# Altium PCB ASCII_LimeSDR-USB_1v4s.PcbDoc (part 4 of 10) (continued)
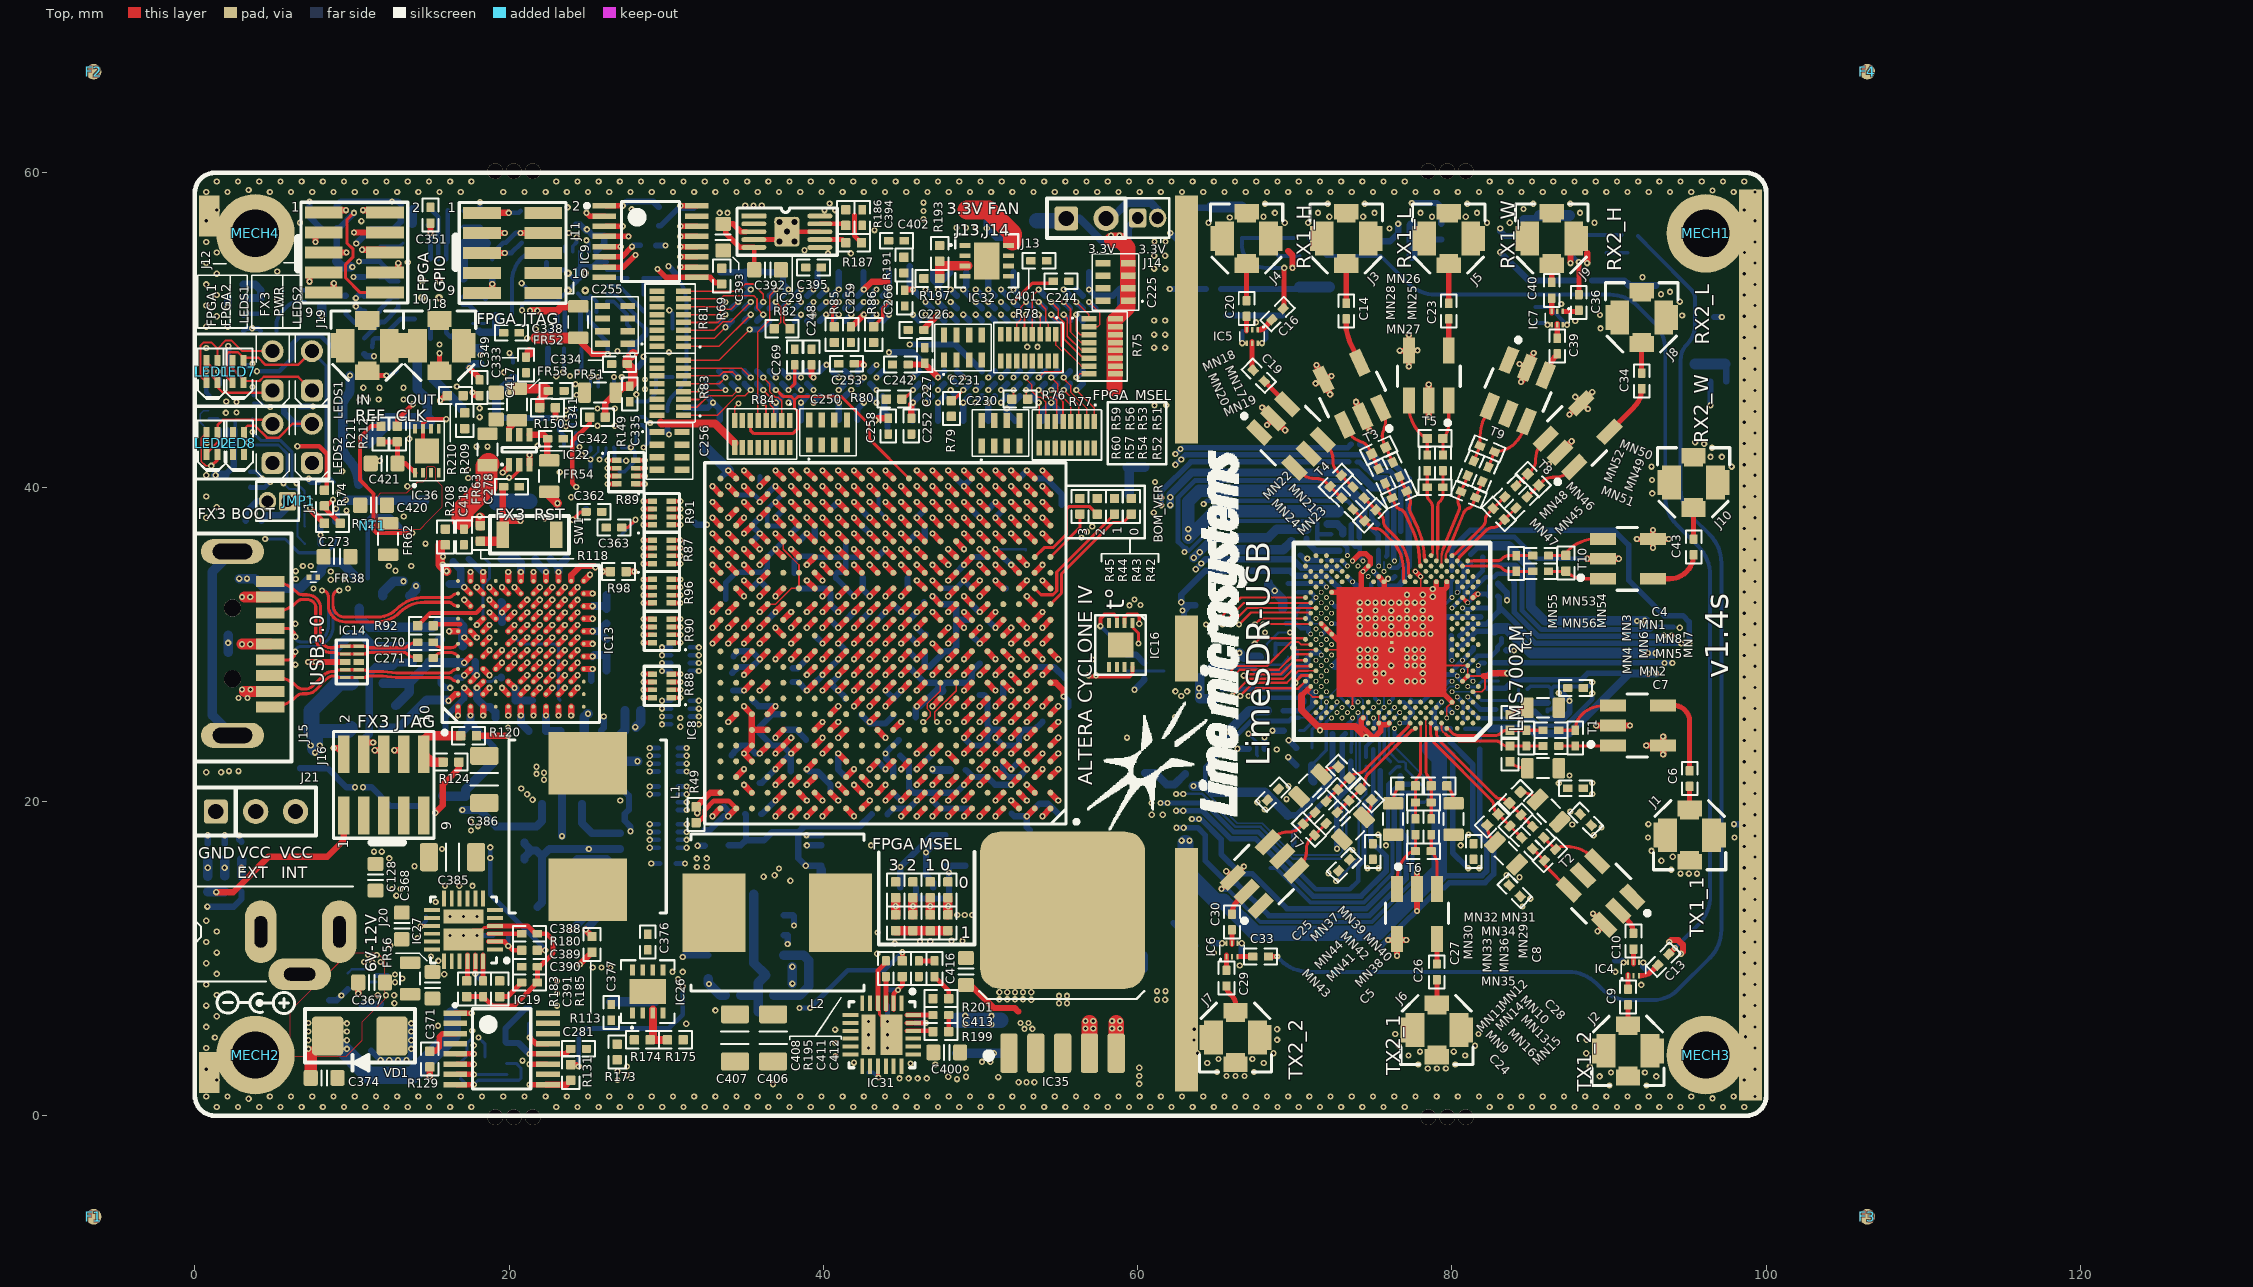
[diagram p0: Top view]
## Nets (pads, with @x,y where several pads share a name; then routed paths per layer and width w, separated by ;. In a path a pad name is that pad's centre, name@x,y a point inside that pad or via, vN(x,y) a via of type N, cw(c..) or ccw(c..) an arc to the next point about the centre after c; other vN are vias at no path point) (continued)
  Bottom w0.4: IC12.C8@42.175,51.375 v1(42.575,51.775)
DDR2_2_DQ9: IC8.AB13 IC12.C2 | length 18.4
  Top w0.4: v2(41.95,41.05) IC8.AB13@42.45,40.55
  L4 w0.1: v2(41.95,41.05) 41.95,40.545 42.525,39.97 42.525,38.775 42.825,38.475 43.375,38.475 43.6,38.7 43.6,40.925 42.925,41.6 42.925,41.9 ccw(c42.621,41.9) 42.621,42.204 42.253,42.204 cw(c42.253,42.508) 41.949,42.508 cw(c42.253,42.508) 42.253,42.812 42.925,42.812 43.796,42.812 ccw(c43.796,43.116) 44.1,43.116 ccw(c43.796,43.116) 43.796,43.42 42.925,43.42 42.56,43.42 cw(c42.56,43.724) 42.256,43.724 cw(c42.56,43.724) 42.56,44.028 42.621,44.028 ccw(c42.621,44.332) 42.925,44.332 42.925,44.4 42.925,46.625 v1(42.575,46.975)
  Bottom w0.4: IC12.C2@42.175,46.575 v1(42.575,46.975)
DDR2_2_DQ10: IC8.AA15 IC12.D7 | length 18.3
  Top w0.4: v2(39.95,40.05) IC8.AA15@40.45,39.55
  L8 w0.1: v2(39.95,40.05) 40.325,40.05 40.525,40.25 40.525,40.825 40.525,41.302 cw(c40.829,41.302) 40.829,41.606 40.925,41.606 ccw(c40.925,41.91) 41.229,41.91 ccw(c40.925,41.91) 40.925,42.214 40.829,42.214 cw(c40.829,42.518) 40.525,42.518 cw(c40.829,42.518) 40.829,42.822 41.798,42.822 ccw(c41.798,43.126) 42.102,43.126 ccw(c41.798,43.126) 41.798,43.43 40.829,43.43 cw(c40.829,43.734) 40.525,43.734 cw(c40.829,43.734) 40.829,44.038 41.195,44.038 ccw(c41.195,44.342) 41.499,44.342 ccw(c41.195,44.342) 41.195,44.646 40.829,44.646 cw(c40.829,44.95) 40.525,44.95 40.525,47.605 40.825,47.905 40.825,50.325 41.475,50.975 v1(41.775,50.975)
  Bottom w0.4: IC12.D7@41.375,50.575 v1(41.775,50.975)
DDR2_2_DQ11: IC8.AB14 IC12.D3 | length 18.1
  Top w0.4: v2(40.95,41.05) IC8.AB14@41.45,40.55
  L4 w0.1: v2(40.95,41.05) 40.95,40.555 39.92,39.525 39.675,39.525 39.3,39.9 39.3,40.275 39.7,40.675 40.125,40.675 40.525,41.075 40.525,42.675 40.525,42.893 cw(c40.829,42.893) 40.829,43.197 40.919,43.197 ccw(c40.919,43.501) 41.223,43.501 ccw(c40.919,43.501) 40.919,43.805 40.525,43.805 40.229,43.805 cw(c40.229,44.109) 39.925,44.109 cw(c40.229,44.109) 40.229,44.413 40.525,44.413 41.071,44.413 ccw(c41.071,44.717) 41.375,44.717 ccw(c41.071,44.717) 41.071,45.021 40.829,45.021 cw(c40.829,45.325) 40.525,45.325 40.525,47.525 40.9,47.9 41.725,47.9 42,47.625 42,47.2 v1(41.775,46.975)
  Bottom w0.4: IC12.D3@41.375,47.375 v1(41.775,46.975)
DDR2_2_DQ12: IC8.AA14 IC12.D1 | length 18.4
  Top w0.4: v2(40.95,40.05) IC8.AA14@41.45,39.55
  L4 w0.1: v2(40.95,40.05) 40.55,39.65 40.55,36.75 40.875,36.425 42.1,36.425 42.325,36.65 42.325,39.17 41.575,39.92 41.575,41.025 ccw(c41.271,41.025) 41.271,41.329 41.246,41.329 cw(c41.246,41.633) 40.942,41.633 cw(c41.246,41.633) 41.246,41.937 41.575,41.937 ccw(c41.575,42.129) 41.767,42.129 41.767,42.353 ccw(c41.575,42.353) 41.575,42.545 41.396,42.545 cw(c41.396,42.849) 41.092,42.849 cw(c41.396,42.849) 41.396,43.153 ccw(c41.396,43.332) 41.575,43.332 41.575,43.65 41.575,45.975 v1(41.775,46.175)
  Bottom w0.4: IC12.D1@41.375,45.775 v1(41.775,46.175)
DDR2_2_DQ13: IC8.AB15 IC12.D9 | length 18
  Top w0.4: v2(39.95,41.05) IC8.AB15@40.45,40.55
  L4 w0.1: v2(39.95,41.05) 39.725,41.275 39.725,47.975 39.877,48.127 42.027,48.127 42.925,49.025 42.925,53.075 42.55,53.45 42.025,53.45 41.775,53.2 v1(41.775,52.575)
  Bottom w0.4: IC12.D9@41.375,52.175 v1(41.775,52.575)
DDR2_2_DQ14: IC8.AA13 IC12.B1 | length 18.5
  Top w0.4: v2(41.95,40.05) IC8.AA13@42.45,39.55
  L8 w0.1: v2(41.95,40.05) 41.525,40.05 41.325,39.85 41.325,37.1 42.025,36.4 42.795,36.4 43.4,37.005 43.4,43.508 42.025,44.883 42.025,45.65 42.45,46.075 42.85,46.075 43.375,45.55 v1(43.375,45.375)
  Bottom w0.4: IC12.B1@42.975,45.775 v1(43.375,45.375)
DDR2_2_DQ15: IC8.U12 IC12.B9 | length 18.3
  Top w0.4: v2(42.95,36.05) IC8.U12@43.45,35.55
  L8 w0.1: v2(42.95,36.05) 43.6,36.7 43.6,43.925 43.825,44.15 43.825,52.125 v1(43.375,52.575)
  Bottom w0.4: IC12.B9@42.975,52.175 v1(43.375,52.575)
DDR2_2_DQS0: IC8.V13 IC12.F7 | length 15.9
  Top w0.4: v2(41.95,37.05) IC8.V13@42.45,36.55
  L9 w0.1: v1(40.175,50.975) 41.4,49.75 41.4,38.05 41.95,37.5 v2(41.95,37.05)
  Bottom w0.4: IC12.F7@39.775,50.575 v1(40.175,50.975)
DDR2_2_DQS0N: IC12.E8 R85.2 | length 2.4
  Top w0.2: R85.2@40.7,50.2 40.575,50.325 40.575,51.375 v1(40.975,51.775)
  Bottom w0.4: IC12.E8@40.575,51.375 v1(40.975,51.775)
DDR2_2_DQS1: IC8.Y13 IC12.B7 | length 14.1
  Top w0.4: v2(41.95,39.05) IC8.Y13@42.45,38.55
  L9 w0.1: v2(41.95,39.05) 41.6,39.4 41.6,45.505 42.2,46.105 42.2,49.8 v1(43.375,50.975)
  Bottom w0.4: IC12.B7@42.975,50.575 v1(43.375,50.975)
DDR2_2_DQS1N: IC12.A8 R86.2 | length 2.6
  Top w0.2: R86.2@43.166,50.2 43.775,50.809 43.775,51.375 v1(44.175,51.775)
  Bottom w0.4: IC12.A8@43.775,51.375 v1(44.175,51.775)
DDR2_2_ODT: IC8.T12 IC12.K9 R84.5 | length 34.8
  Top w0.1: R84.5@35.85,44.225 35.825,44.25 35.825,49.875 36.575,50.625 36.575,52.175 v1(36.975,52.575)
  Top w0.4: v2(42.95,35.05) IC8.T12@43.45,34.55
  L9 w0.1: v1(36.975,52.575) 37.325,52.225 43.42,52.225 43.725,51.92 43.725,50.83 43,50.105 43,45.15 42.375,44.525 42.375,35.625 v2(42.95,35.05)
  Bottom w0.4: IC12.K9@36.575,52.175 v1(36.975,52.575)
DDR2_2_RASN: IC8.T11 IC12.K7 R83.8 | length 26.7
  Top w0.1: R83.8@31.1,48.075 33.359,48.075 v1(35.309,50.025)
  Top w0.4: v2(43.95,35.05) IC8.T11@44.45,34.55
  L3 w0.1: v1(35.309,50.025) 36.842,50.025 39.775,47.092 39.775,45.417 43.6,41.592 43.6,35.4 v2(43.95,35.05)
  Bottom w0.4: v1(35.309,50.025) 36.025,50.025 IC12.K7@36.575,50.575
DDR2_2_WEN: IC8.T9 IC12.K3 R84.8 | length 29.4
  Top w0.1: R84.8@34.35,44.225 34.35,45.075 v1(34.6,45.325)
  Top w0.4: v2(45.95,35.05) IC8.T9@46.45,34.55
  L9 w0.1: v1(36.975,46.975) 37.325,46.625 37.325,45.23 37.12,45.025 36.03,45.025 35.605,45.45 34.725,45.45 v1(34.6,45.325) 34.6,44.9 35.9,43.6 35.9,40.6 37.763,38.737 37.763,38.732 38.3,38.195 38.3,34.133 39.808,32.625 41.025,32.625 42.875,34.475 45.375,34.475 v2(45.95,35.05)
  Bottom w0.4: IC12.K3@36.575,47.375 v1(36.975,46.975)
EXP_AS_SS: IC17.2 R74.1 | length 19.5
  Top w0.3: v1(6.525,42.6) 7.924,42.6 8.4,42.124 8.4,39.95 R74.1@8.25,39.8 R74.1@8.325,39.725
  L4 w0.1: v1(0.775,42.8) 0.925,42.95 2.008,42.95 4.1,45.042 4.1,46.707 4.393,47 5.507,47 6.025,46.482 6.025,43.1 v1(6.525,42.6)
  Bottom w0.1: v1(0.775,42.8) 0.775,43.7 0.35,44.125 0.35,44.65 0.55,44.85 IC17.2@0.9,44.85
EXP_AS_SW: IC17.10 R64.2 | length 10.5
  L4 w0.1: v1(4.8,45.1) 5.077,45.1 5.825,44.352 5.825,41.405 8.605,38.625 v1(8.975,38.625)
  Bottom w0.2: IC17.10@3.75,45.35 4.247,45.35 4.497,45.1 v1(4.8,45.1)
  Bottom w0.5: R64.2@8.975,37.825 v1(8.975,38.625)
EXP_CONF_DONE: IC17.5 R108.1 | length 34.3
  L9 w0.1: v1@1.4,47.2 1.15,46.95 1.15,44.633 3.25,42.533 3.25,38.301 4.026,37.525 4.876,37.525 5.425,36.976 5.425,23.842 3.347,21.765 3.347,20.449 2.675,19.776 2.675,17.976 v1(2.825,17.826)
  Bottom w0.3: v1(1.475,47.35) 1.575,47.25 IC17.5@1.575,46.525
  Bottom w0.4: v1(2.825,17.826) 2.825,17.575 R108.1@2.975,17.425
EXP_NCONFIG: IC17.9 R106.1 | length 34.4
  L9 w0.1: v1(1.9,17.85) 2.274,17.476 2.97,17.476 3.175,17.681 3.175,18 2.875,18.3 2.875,19.694 3.547,20.366 3.547,21.672 5.625,23.75 5.625,37.059 4.959,37.725 4.109,37.725 3.45,38.384 3.45,42.341 4.1,42.991 4.1,45.017 3.875,45.242 3.875,46.175 v1(3.675,46.375)
  Bottom w0.3: v1@3.65,46.375 3.75,46.275 IC17.9@3.75,45.85
  Bottom w0.4: R106.1@1.9,17.3 v1(1.9,17.85)
EXP_NSTATUS: IC17.4 R107.1 | length 36.2
  L9 w0.1: v1(0.725,47.375) 0.725,44.775 3.05,42.45 3.05,38.219 3.944,37.325 4.794,37.325 5.225,36.894 5.225,23.925 3.147,21.847 3.147,20.532 2.475,19.859 2.475,18.865 1.96,18.35 1.325,18.35 v1(0.825,17.85)
  Bottom w0.3: v1(0.725,47.375) 0.725,46.025 IC17.4@0.9,45.85
  Bottom w0.4: R107.1@0.825,17.3 v1(0.825,17.85)
FAN_CTRL: IC8.E4 R65.2 R67.1 VT7.G | length 69
  Top w0.4: v1(50.95,23.05) IC8.E4@51.45,23.55
  L9 w0.1: v1(50.4,56.475) 53.15,56.475 54.775,58.1 58.389,58.1 58.945,57.544 58.945,56.4 59.2,56.145 59.2,54.835 60.675,53.36 60.675,35.625 61.45,34.85 61.45,32.625 62.175,31.9 68.125,31.9 68.45,31.575 68.45,30.561 68.264,30.375 66.833,30.375 66.558,30.1 62.8,30.1 v1(59.8,27.1) 55.35,22.65 51.35,22.65 v1(50.95,23.05)
  Bottom w0.4: R67.1@50.4,57.55 v1(50.4,56.475) 51,55.875 VT7.G@51.6,55.875 ; v1(59.8,27.1) 60.425,27.725 R65.2@60.425,27.8
FLASH_AS_MISO: IC9.7 IC10.2 | length 64
  Top w0.35: IC9.7@26.05,54 27.275,54 v1(28.05,54.775)
  L4 w0.1: v1(28.05,54.775) 28.05,53.917 20.35,46.217 20.35,40.455 20.145,40.25 20.128,40.25 18.725,38.847 18.725,37.2 16.6,35.075 16.6,34.383 16.334,34.117 16.334,31.359 15.925,30.95 15.934,30.941 15.934,30.691 16.334,30.291 16.334,27.708 16.6,27.442 16.6,25.804 16.4,25.604 16.4,25.271 18.175,23.496 18.175,21.625 23.075,16.725 23.075,11.456 23.657,10.875 25.226,10.875 25.776,10.325 30.825,10.325 v1(31.05,10.1)
  Bottom w0.4: v1(31.05,10.1) 31.165,10.215 IC10.2@32.675,10.215
FLASH_AS_MOSI: IC9.4 IC10.5 | length 75.2
  Top w0.35: IC9.4@26.05,55.95 v1(27.6,55.95)
  L4 w0.1: v1(27.6,55.95) 27.67,55.95 28.4,55.22 28.4,53.984 20.55,46.134 20.55,40.372 20.228,40.05 20.211,40.05 18.925,38.764 18.925,37.117 16.8,34.992 16.8,34.3 16.534,34.034 16.534,27.791 16.8,27.525 16.8,27.075 17.2,26.675 17.2,25.3 18.375,24.125 18.375,21.708 23.275,16.808 23.275,11.539 23.739,11.075 25.309,11.075 25.859,10.525 32,10.525 32.375,10.15 32.375,8.23 32.58,8.025 32.875,8.025 35.425,10.575 37.87,10.575 38.125,10.83 v1(38.125,12.1)
  Bottom w0.4: IC10.5@37.475,12.755 38.07,12.755 38.125,12.7 v1(38.125,12.1)
FLASH_AS_SCLK: IC9.9 IC10.6 R69.1 | length 69.9
  Top w0.35: v1(29.45,53.875) 29.975,53.35 IC9.9@31.95,53.35 32.8,53.35 33.15,53 R69.1@33.525,53
  L4 w0.1: v1(29.45,53.875) 28.856,53.875 20.95,45.969 20.95,40.207 20.393,39.65 20.376,39.65 19.325,38.599 19.325,36.951 17.2,34.826 17.2,34.07 17.55,33.72 17.55,28.92 18.375,28.095 18.375,25.95 18.775,25.55 18.775,21.88 23.675,16.98 23.675,11.705 23.905,11.475 25.475,11.475 26.025,10.925 v1(37.725,10.925)
  Bottom w0.4: IC10.6@37.475,11.485 37.725,11.485 v1(37.725,10.925)
FLASH_AS_SS: IC9.12 IC10.1 R70.2 | length 67.5
  Top w0.35: v1(30.9,55.3) IC9.12@31.95,55.3
  L4 w0.1: v1(30.9,55.3) 30.4,55.3 30.075,54.975 29.674,54.975 20.75,46.051 20.75,40.289 20.311,39.85 20.294,39.85 19.125,38.681 19.125,37.034 17,34.909 17,34.217 16.734,33.951 16.734,27.946 17.005,27.675 17.425,27.675 17.6,27.5 17.6,27.08 17.9,26.78 17.9,25.414 18.575,24.739 18.575,21.791 23.475,16.891 23.475,11.622 23.822,11.275 25.392,11.275 25.942,10.725 32.083,10.725 32.725,10.083 v1(32.725,8.375)
  Bottom w0.6: IC10.1@32.675,8.725 32.675,8.425 v1(32.725,8.375) 33.45,7.65 R70.2@33.75,7.65
FPF_VINSEL: IC25.D4 R48.1 | length 1.5
  Bottom w0.15: R48.1@9.725,9.05 9.988,9.313 IC25.D4@11.138,9.313
FPGA_AS_ASDO: IC8.D1 IC9.3 | length 111
  Top w0.35: IC9.3@26.175,56.6 v1(27.225,56.6)
  Top w0.4: IC8.D1@54.45,22.55 v2(54.95,23.05)
  L8 w0.1: v1(27.225,56.6) 25.875,55.25 11.025,55.25 10.425,55.85 10.08,55.85 8.3,54.07 8.3,51.908 7.5,51.108 7.5,50.042 6.425,48.967 6.425,47.967 5.733,47.275 4.345,47.275 4.07,47 3.805,47 3.325,46.52 3.325,46.175 3.8,45.7 3.8,44.084 3.325,43.609 3.325,43.184 3.15,43.009 3.15,42.349 2.85,42.049 2.85,38.276 3.801,37.325 6.158,37.325 7.608,35.875 8.578,35.875 15.425,29.028 15.425,25.434 18.034,22.825 22.017,22.825 26.175,18.667 26.175,16.733 29.208,13.7 38.944,13.7 44.668,19.425 45.265,19.425 45.54,19.7 47.105,19.7 49.105,21.7 52.05,21.7 52.75,22.4 54.3,22.4 v2(54.95,23.05)
FPGA_AS_DATA0: IC8.K1 R68.2 | length 52.3
  Top w0.4: v2(53.95,28.05) IC8.K1@54.45,28.55
  L8 w0.1: v1(29.95,55.375) 30.55,55.975 30.55,56.745 30.755,56.95 31.045,56.95 31.275,56.72 31.275,53.875 31.1,53.7 31.1,44.675 34.175,41.6 34.178,41.6 34.6,41.178 34.6,40.895 34.795,40.7 35.795,40.7 36.3,40.195 36.3,39.5 36.5,39.3 36.5,38.995 37.3,38.195 37.3,35.066 38.766,33.6 53.866,33.6 54.95,32.516 54.95,29.545 54.575,29.17 54.575,28.675 v2(53.95,28.05)
  Bottom w0.4: R68.2@29.35,55.375 v1(29.95,55.375)
FPGA_AS_DCLK: IC8.K2 IC9.10 | length 47.6
  Top w0.35: v1(30.9,54) IC9.10@31.95,54
  Top w0.4: v2(52.95,28.05) IC8.K2@53.45,28.55
  L8 w0.1: v1(30.9,54) 30.9,44.592 34.092,41.4 34.095,41.4 34.3,41.195 34.3,40.9 34.8,40.4 35.095,40.4 36.3,39.195 36.3,38.912 36.6,38.612 36.6,35.483 38.683,33.4 53.783,33.4 54.75,32.433 54.75,29.628 54.375,29.253 54.375,28.98 53.445,28.05 v2(52.95,28.05)
FPGA_AS_NCSO: IC8.E2 IC9.13 | length 111.9
  Top w0.35: v1(30.9,55.95) IC9.13@31.95,55.95
  Top w0.4: v2(52.95,23.05) IC8.E2@53.45,23.55
  L8 w0.1: v1(30.9,55.95) 30.9,55.83 29.42,54.35 14.05,54.35 13.7,54.7 10.175,54.7 10.025,54.55 9.442,54.55 8.5,53.608 8.5,51.825 7.725,51.05 7.725,49.651 8.35,49.026 8.35,43.723 7.602,42.975 4.625,42.975 3.45,41.8 3.45,38.525 4.025,37.95 6.381,37.95 7.856,36.475 8.826,36.475 16.025,29.276 16.025,27.95 16.55,27.425 16.55,26.075 16.4,25.925 16.4,25.314 18.289,23.425 22.266,23.425 26.775,18.916 26.775,16.981 29.456,14.3 38.695,14.3 44.3,19.905 44.3,20.108 45.517,21.325 46.425,21.325 46.8,21.7 47.105,21.7 48.83,23.425 52.575,23.425 v2(52.95,23.05)
FPGA_CLK_OUT: IC8.C2 R146.1 | length 86.8
  Top w0.4: IC8.C2@53.45,21.55 v2(53.95,22.05)
  L8 w0.1: v1(3.95,47.375) 3.872,47.375 3.125,46.628 3.125,46.092 3.6,45.617 3.6,44.167 3.125,43.692 3.125,43.267 2.95,43.092 2.95,42.431 2.65,42.131 2.65,38.182 3.707,37.125 6.075,37.125 7.525,35.675 8.495,35.675 15.225,28.945 15.225,25.351 17.951,22.625 21.935,22.625 25.975,18.585 25.975,16.65 29.125,13.5 39.895,13.5 45.845,19.45 47.845,19.45 49.895,21.5 52.188,21.5 52.388,21.7 53.6,21.7 v2(53.95,22.05)
  Bottom w0.309: v1(3.95,47.375) 5.375,47.375 6.2,48.2 6.2,49.125 6.68,49.605 8.045,49.605 9.325,48.325 R146.1@9.325,48.1
FPGA_CONF_DONE: IC8.M18 R103.2 R108.2 | length 55.7
  Top w0.4: v2(36.95,31.05) IC8.M18@37.45,30.55
  L9 w0.1: v1(2.975,15.775) 2.975,16.541 5.225,18.791 5.225,21.125 6.763,22.663 6.763,24.298 17.405,34.941 17.695,34.941 17.9,34.736 17.9,34.325 18.25,33.975 19.829,33.975 20.375,34.521 20.375,37.995 20.655,38.275 21.15,38.275 23.5,35.925 27.255,35.925 28.705,34.475 36.03,34.475 37.3,33.205 37.3,31.625 36.95,31.275 v2(36.95,31.05)
  Bottom w0.6: R103.2@2.975,15.25 v1(2.975,15.775) R108.2@2.975,16.3
FPGA_GPIO0: IC8.H8 J12.1 | length 98.2
  Top w0.4: J12.1@8.35,57.625 v1(9.625,57.625) ; v2(46.95,26.05) IC8.H8@47.45,26.55
  L9 w0.1: v1(9.625,57.625) 8.922,57.625 7.125,55.828 7.125,55.075 6.55,54.5 6.55,52.764 7.289,52.025 9.374,52.025 9.774,52.425 10.719,52.425 13.119,50.025 19.822,50.025 20.922,48.925 21.928,48.925 22.503,49.5 30.864,49.5 34.289,52.925 57.15,52.925 57.875,52.2 57.875,35.636 55.689,33.45 53.776,33.45 52.826,32.5 50.667,32.5 50.425,32.258 50.425,32.083 50.142,31.8 49.592,31.8 49.417,31.625 48.747,31.625 48.472,31.35 47.755,31.35 47.4,30.995 47.4,29.561 47.2,29.361 47.2,28.875 46.6,28.275 46.6,27.875 46.95,27.525 v2(46.95,26.05)
FPGA_GPIO1: IC8.H6 J12.2 | length 98.7
  Top w0.4: v1(10.7,57.625) 11.95,57.625 J12.2@12.1,57.475 ; v2(48.95,26.05) IC8.H6@49.45,26.55
  L9 w0.1: v1(10.7,57.625) 10.7,57.53 10.295,57.125 8.705,57.125 7.325,55.745 7.325,54.992 6.75,54.417 6.75,52.847 7.372,52.225 9.291,52.225 9.691,52.625 10.801,52.625 13.201,50.225 19.905,50.225 21.005,49.125 21.845,49.125 22.42,49.7 30.781,49.7 31.678,50.597 34.206,53.125 57.233,53.125 58.075,52.283 58.075,35.553 55.772,33.25 53.859,33.25 52.909,32.3 50.75,32.3 50.625,32.175 50.625,32 50.225,31.6 49.675,31.6 49.5,31.425 49.5,30.661 48.139,29.3 47.846,29.3 47.7,29.154 47.7,28.904 47.7,27.239 48.889,26.05 v2(48.95,26.05)
FPGA_GPIO2: IC8.H2 J12.3 | length 90.1
  Top w0.4: v1(7.675,55.6) J12.3@7.675,56.2 ; v2(52.95,26.05) IC8.H2@53.45,26.55
  L9 w0.1: v1(7.675,55.6) 7.925,55.85 10.03,55.85 10.52,55.85 11.195,55.175 15.883,55.175 19.208,51.85 22.011,51.85 23.161,50.7 29.13,50.7 30.03,51.6 31.267,51.6 33.792,54.125 57.647,54.125 59.075,52.697 59.075,35.139 54.536,30.6 52.722,30.6 52.522,30.4 51.522,30.4 50.4,29.278 50.4,28.822 50.722,28.5 50.995,28.5 52.3,27.195 52.3,26.7 v2(52.95,26.05)
FPGA_GPIO3: IC8.H1 J12.4 | length 90
  Top w0.4: v1(10.125,56.2) J12.4@12.1,56.2 ; v2(53.95,26.05) IC8.H1@54.45,26.55
  L9 w0.1: v1(10.125,56.2) 10.95,56.2 11.775,55.375 15.966,55.375 19.291,52.05 22.094,52.05 23.244,50.9 29.047,50.9 29.947,51.8 31.184,51.8 31.675,52.291 33.709,54.325 57.73,54.325 59.275,52.78 59.275,35.056 54.619,30.4 52.805,30.4 52.205,29.8 51.205,29.8 50.6,29.195 50.6,28.905 50.805,28.7 51.078,28.7 51.453,28.325 52.17,28.325 53.95,26.545 v2(53.95,26.05)
FPGA_GPIO4: IC8.G4 J12.5 | length 96.4
  Top w0.4: J12.5@8.2,54.925 v1(9.65,54.925) ; v2(50.95,25.05) IC8.G4@51.45,25.55
  L9 w0.1: v1(9.65,54.925) 8.655,54.925 6.95,53.22 6.95,52.93 7.455,52.425 9.208,52.425 9.608,52.825 10.884,52.825 13.284,50.425 22.3,50.425 22.825,49.9 30.699,49.9 34.124,53.325 57.316,53.325 58.275,52.366 58.275,35.471 55.854,33.05 53.942,33.05 52.892,32 51.839,32 51.459,31.62 50.7,31.62 50.455,31.375 49.78,31.375 49.7,31.295 49.7,30.578 48.2,29.078 48.2,27.022 48.817,26.405 49.09,26.405 49.325,26.17 49.325,25.825 49.735,25.415 50.524,25.415 50.889,25.05 v2(50.95,25.05)
FPGA_GPIO5: IC8.G3 J12.6 | length 90
  Top w0.4: v1(10.65,55.1) J12.6@12.1,55.1 ; v2(51.95,25.05) IC8.G3@52.45,25.55
  L9 w0.1: v1(10.65,55.1) 10.8,54.95 10.8,53.475 13.4,50.875 22.416,50.875 22.991,50.3 30.533,50.3 33.958,53.725 34.124,53.725 57.481,53.725 58.675,52.531 58.675,35.305 56.02,32.65 54.108,32.65 53.058,31.6 52.005,31.6 48.6,28.195 48.6,27.905 50.905,25.6 51.188,25.6 51.738,25.05 v2(51.95,25.05)
FPGA_GPIO6: IC8.F2 J12.7 | length 94.4
  Top w0.4: v1(7.3,53.075) 7.3,53.425 7.525,53.65 J12.7@8.2,53.65 ; v2(52.95,24.05) IC8.F2@53.45,24.55
  L9 w0.1: v1(7.3,53.075) 7.75,52.625 9.125,52.625 9.525,53.025 10.967,53.025 13.342,50.65 22.358,50.65 22.908,50.1 30.616,50.1 34.041,53.525 57.399,53.525 58.475,52.449 58.475,35.388 55.937,32.85 54.025,32.85 52.975,31.8 51.922,31.8 51.542,31.42 50.825,31.42 48.4,28.995 48.4,27.105 48.9,26.605 49.183,26.605 49.344,26.444 49.344,26.434 49.525,26.253 49.525,25.908 49.818,25.615 50.607,25.615 50.822,25.4 51.105,25.4 52.455,24.05 v2(52.95,24.05)
FPGA_GPIO7: IC8.F1 J12.8 | length 88
  Top w0.4: J12.8@12.1,53.65 12.95,53.65 v1(12.95,54.25) ; IC8.F1@54.45,24.55 v2(54.95,25.05)
  L9 w0.1: v1(12.95,54.25) 13.675,54.975 15.8,54.975 19.175,51.6 21.974,51.6 23.074,50.5 30.45,50.5 33.875,53.925 57.564,53.925 58.875,52.614 58.875,35.222 56.103,32.45 54.75,32.45 54.1,31.8 53.541,31.8 53.141,31.4 52.795,31.4 52.095,30.7 51.539,30.7 50.2,29.361 50.2,28.739 50.6,28.339 50.6,28.046 50.846,27.8 51.175,27.8 51.675,27.3 51.675,26.83 52.86,25.645 53.205,25.645 53.8,25.05 v2(54.95,25.05)
FPGA_I2C_SCL: IC8.H7 R112.2 | length 60.2
  Top w0.4: v2(47.95,26.05) IC8.H7@48.45,26.55
  L9 w0.1: v1(17.65,5.4) 17.075,5.975 17.075,6.758 19.767,9.45 23.517,9.45 24.242,10.175 27.492,10.175 34.725,17.408 34.725,18.778 33.05,20.453 33.05,23.4 31.725,24.725 31.725,26.545 31.93,26.75 32.589,26.75 34.6,28.761 34.6,29.195 34.805,29.4 35.475,29.4 35.675,29.6 36.439,29.6 37.6,30.761 37.6,31.195 37.805,31.4 38.095,31.4 38.345,31.15 38.345,30.716 39.661,29.4 40.095,29.4 40.3,29.195 40.3,26.875 40.85,26.325 44.029,26.325 44.279,26.075 45.425,26.075 45.875,25.625 46.553,25.625 46.778,25.4 47.3,25.4 v2(47.95,26.05)
  Bottom w0.2: R112.2@16.9,3.375 17.325,3.8 17.325,4.616 17.65,4.941 v1(17.65,5.4)
FPGA_I2C_SDA: IC8.J7 R110.2 | length 58.7
  Top w0.1: v2(47.225,25.05) 47.075,25.2 47.075,25.67 48.45,27.045 IC8.J7@48.45,27.55
  L9 w0.1: v1(18.05,4.975) 18.05,5.605 17.275,6.38 17.275,6.675 19.85,9.25 23.6,9.25 24.325,9.975 27.575,9.975 34.925,17.325 34.925,18.861 33.25,20.536 33.25,23.841 32.6,24.491 32.6,26.478 34.722,28.6 34.995,28.6 35.795,29.4 36.522,29.4 37.722,30.6 38.178,30.6 39.5,29.278 39.5,26.958 40.708,25.75 45.458,25.75 45.783,25.425 46.47,25.425 46.845,25.05 v2(47.225,25.05)
  Bottom w0.2: v1(18.05,4.975) 18.475,4.55 R110.2@18.475,3.75
FPGA_JTAG_TCK: IC8.L2 J11.1 R62.1 | length 77
  Top w0.4: J11.1@18.525,57.45 v1(19.975,57.45) ; IC8.L2@53.45,29.55 v2(53.95,29.05)
  L9 w0.1: v1(19.975,57.45) 20.075,57.35 20.075,56.03 19.375,55.33 19.375,54.75 19.575,54.55 20.442,54.55 23.492,51.5 28.799,51.5 29.699,52.4 30.936,52.4 33.461,54.925 33.626,54.925 37.55,54.925 38.129,54.925 38.629,55.425 42.033,55.425 42.508,54.95 57.953,54.95 59.875,53.028 59.875,34.808 54.75,29.683 54.75,29.675 54.125,29.05 v2(53.95,29.05)
  Bottom w0.3: v1(19.975,57.45) 20.625,57.45 R62.1@20.75,57.575
FPGA_JTAG_TDI: IC8.L5 J11.9 R58.1 | length 73.9
  Top w0.4: J11.9@18.925,52.55 v1(18.925,52.925) ; IC8.L5@50.45,29.55 v2(50.95,29.05)
  L9 w0.1: v1(18.925,52.925) 19.6,52.25 22.176,52.25 23.326,51.1 28.964,51.1 29.864,52 31.101,52 33.626,54.525 57.813,54.525 59.475,52.863 59.475,34.974 54.35,29.849 54.35,29.841 54.109,29.6 51.5,29.6 v2(50.95,29.05)
  Bottom w0.4: v1(18.925,52.925) R58.1@18.925,53.5
FPGA_JTAG_TDO: IC8.L4 J11.3 | length 76.6
  Top w0.4: J11.3@18.275,56.175 v1(19.725,56.175) ; IC8.L4@51.45,29.55 v2(51.95,29.05)
  L9 w0.1: v1(19.725,56.175) 19.175,55.625 19.175,54.667 19.492,54.35 20.359,54.35 23.409,51.3 28.881,51.3 29.781,52.2 31.019,52.2 33.544,54.725 38.875,54.725 39.655,54.725 40.155,55.225 41.95,55.225 42.425,54.75 57.871,54.75 59.675,52.946 59.675,34.891 54.55,29.766 54.55,29.758 54.192,29.4 52.3,29.4 v2(51.95,29.05)
FPGA_JTAG_TMS: IC8.L1 J11.5 R55.1 | length 75.5
  Top w0.4: J11.5@18.275,54.9 v1(19.725,54.9) ; IC8.L1@54.45,29.55 v2(54.95,29.05)
  L9 w0.1: v1(19.725,54.9) 20.375,54.9 23.575,51.7 28.716,51.7 29.616,52.6 30.853,52.6 35.608,57.355 38.349,57.355 40.079,55.625 42.116,55.625 42.591,55.15 58.036,55.15 60.075,53.111 60.075,34.725 54.95,29.6 v2(54.95,29.05)
  Bottom w0.3: v1(19.725,54.9) 20.15,54.9 R55.1@20.8,55.55
FPGA_LED1_G: IC8.D2 R168.1 | length 72.2
  Top w0.4: IC8.D2@53.45,22.55 v2(53.95,23.05)
  L8 w0.1: v1(4.8,40.325) 4.525,40.05 4.075,40.05 3.65,39.625 3.65,38.608 4.108,38.15 6.464,38.15 6.939,37.675 7.909,37.675 16.225,29.359 16.225,28.825 16.9,28.15 16.9,27.1 17.225,26.775 17.225,25.431 17.55,25.106 17.861,25.106 18.08,24.888 18.355,24.888 19.617,23.625 22.349,23.625 26.975,18.999 26.975,17.064 29.539,14.5 38.6,14.5 43.575,19.475 43.575,20.18 43.75,20.355 44.264,20.355 45.459,21.55 45.955,21.55 48.03,23.625 53.375,23.625 v2(53.95,23.05)
  Bottom w0.2: R168.1@3.525,39.975 R168.1@3.525,40.05
  Bottom w0.3: R168.1@3.525,39.975 4.45,39.975 v1(4.8,40.325)
FPGA_LED1_R: IC8.E3 LED1.2 LED1.3 LEDS1.K1 | length 81.8
  Top w0.15: LED1.2@0.75,48.05 0.75,47.957 1.1,47.607 1.1,47.068 1.45,46.718 LED1.3@1.45,46.65 1.45,46.35 1.8,46 4.8,46 LEDS1.K1@4.95,46.15
  Top w0.4: v2(51.95,23.05) IC8.E3@52.45,23.55
  L8 w0.1: LEDS1.K1@4.95,46.125 5.8,45.275 5.8,43.673 5.302,43.175 4.542,43.175 3.25,41.883 3.25,38.442 3.942,37.75 6.299,37.75 7.774,36.275 8.743,36.275 15.825,29.193 15.825,25.6 18.2,23.225 22.183,23.225 26.575,18.833 26.575,16.899 29.374,14.1 38.778,14.1 44.5,19.822 44.5,20.025 45.15,20.675 46.075,20.675 46.875,21.475 47.35,21.475 48.5,22.625 51.525,22.625 v2(51.95,23.05)
FPGA_LED2_G: IC8.J4 R170.1 | length 75.5
  Top w0.4: IC8.J4@51.45,27.55 v2(51.95,27.05)
  L8 w0.1: v1(7.25,40.525) 7.043,40.525 6.768,40.8 5.65,40.8 5.225,40.375 5.225,40.1 4.975,39.85 4.158,39.85 3.85,39.542 3.85,38.691 4.191,38.35 6.625,38.35 6.975,38 7.867,38 16.425,29.442 16.425,28.914 16.964,28.375 17.217,28.375 17.5,28.092 17.5,26.525 17.95,26.075 17.95,25.3 18.162,25.088 18.437,25.088 19.7,23.825 22.432,23.825 27.175,19.082 27.175,17.147 29.622,14.7 36.225,14.7 36.55,15.025 36.55,19.145 36.805,19.4 37.475,19.4 38.675,20.6 39.392,20.6 44.592,25.8 45.25,25.8 45.85,26.4 47.805,26.4 48.805,27.4 49.095,27.4 49.87,26.625 51.525,26.625 v2(51.95,27.05)
  Bottom w0.4: v1@7.25,40.475 7.4,40.325 R170.1@7.875,40.325
FPGA_LED2_R: IC8.E1 LED7.2 LED7.3 LEDS1.K2 | length 89.6
  Top w0.15: LED7.2@2.4,48.05 2.4,47.55 3.1,46.85 LED7.3@3.1,46.75 ; LED7.3@3.1,46.65 LED7.3@3.1,46.75 ; LEDS1.K2@7.45,46.15 6.575,47.025 4.383,47.025 4.108,46.75 LED7.3@3.1,46.75
  Top w0.4: IC8.E1@54.45,23.55 v2(54.95,24.05)
  L8 w0.1: LEDS1.K2@7.45,46.125 6.55,47.025 4.378,47.025 4.153,46.8 4.15,46.8 4.025,46.675 4.025,42.941 3.05,41.966 3.05,38.359 3.884,37.525 6.241,37.525 7.691,36.075 8.661,36.075 15.625,29.111 15.625,25.517 18.117,23.025 22.1,23.025 26.375,18.75 26.375,16.816 29.291,13.9 38.861,13.9 44.586,19.625 45.03,19.625 45.805,20.4 46.795,20.4 48.795,22.4 52.467,22.4 52.667,22.6 53.995,22.6 54.95,23.555 v2(54.95,24.05)
FPGA_NCONFIG: IC8.K5 R105.2 R106.2 | length 151.8
  Top w0.4: v2(49.95,28.05) IC8.K5@50.45,28.55
  L9 w0.1: v1(1.9,15.775) 1.926,15.775 5.025,18.874 5.025,19.875 3.947,20.953 3.947,21.507 6.025,23.584 6.025,37.225 5.125,38.125 4.275,38.125 3.85,38.55 3.85,42.175 4.65,42.975 5.385,42.975 6,43.59 6,46.79 5.59,47.2 5.175,47.2 4.075,48.3 4.075,48.977 6.35,51.252 6.35,54.583 6.925,55.158 6.925,55.911 8.989,57.975 11.375,57.975 12.8,56.55 18.558,56.55 19.808,57.8 20.12,57.8 20.425,57.495 20.425,57.325 20.275,57.175 20.275,55.283 23.658,51.9 28.633,51.9 29.533,52.8 30.77,52.8 35.525,57.555 38.432,57.555 40.162,55.825 42.199,55.825 42.674,55.35 58.119,55.35 60.275,53.194 60.275,35.459 61.05,34.684 61.05,30.525 55.125,24.6 52.708,24.6 52.5,24.808 52.5,25.278 52.178,25.6 51.754,25.6 51.5,25.854 51.5,26.278 51.178,26.6 50.683,26.6 49.95,27.333 v2(49.95,28.05)
  Bottom w0.6: R105.2@1.9,15.25 R106.2@1.9,16.3
FPGA_NSTATUS: IC8.K6 R104.2 R107.2 | length 155.4
  Top w0.4: v2(48.95,28.05) IC8.K6@49.4,28.5
  L9 w0.1: v1(0.825,15.775) 2.326,17.276 3.144,17.276 4.825,18.956 4.825,19.792 3.747,20.87 3.747,21.59 5.825,23.667 5.825,37.142 5.042,37.925 4.192,37.925 3.65,38.467 3.65,42.258 4.567,43.175 5.302,43.175 5.8,43.673 5.8,46.707 5.507,47 5.092,47 3.875,48.217 3.875,49.06 6.15,51.335 6.15,54.702 6.5,55.052 6.5,55.768 8.907,58.175 11.525,58.175 12.95,56.75 18.475,56.75 19.725,58 20.203,58 20.625,57.578 20.625,57.242 20.475,57.092 20.475,55.366 22.928,52.913 23.916,52.913 24.15,52.678 24.15,52.475 24.525,52.1 28.55,52.1 29.45,53 30.687,53 34.675,56.988 34.675,58.07 34.88,58.275 36.22,58.275 36.74,57.755 38.515,57.755 40.245,56.025 42.281,56.025 42.756,55.55 58.202,55.55 60.475,53.277 60.475,35.542 61.25,34.767 61.25,30.442 55.208,24.4 52.625,24.4 52.3,24.725 52.3,25.195 52.095,25.4 51.671,25.4 51.3,25.771 51.3,26.195 51.095,26.4 50.6,26.4 v2(48.95,28.05)
  Bottom w0.6: R104.2@0.825,15.225 R107.2@0.825,16.3
FPGA_SPI0_LMS_SS: IC8.D10 R9.2 | length 23.7
  Top w0.4: v2(44.95,22.05) IC8.D10@45.45,22.55
  L10 w0.1: v2(44.95,22.05) 45.4,22.5 47.895,22.5 48.3,22.905 48.3,23.225 48.65,23.575 56.2,23.575 56.375,23.4 66.3,23.4 v1(66.35,23.35)
  Bottom w0.4: v1(66.35,23.35) R9.2@67.075,23.35
FPGA_SPI0_MISO: IC8.C8 R8.2 | length 26.4
  Top w0.4: v2(46.95,21.05) IC8.C8@47.45,21.55
  L10 w0.1: v2(46.95,21.05) 47.3,21.4 55.125,21.4 55.85,22.125 69.395,22.125 69.975,22.705 69.975,23.525 v1(69.612,23.888)
  Bottom w0.4: v1(69.612,23.888) R8.2@70.1,23.4
FPGA_SPI0_MOSI: IC8.D7 R7.2 | length 23.7
  Top w0.4: v2(47.95,23.05) IC8.D7@48.45,22.55
  L10 w0.1: v2(47.95,23.05) 47.95,23.525 48.9,24.475 55.625,24.475 56.5,23.6 65.825,23.6 65.925,23.7 67.2,23.7 68,24.5 v1(68.575,24.5)
  Bottom w0.4: v1(68.575,24.5) R7.2@69.3,24.5
FPGA_SPI0_SCLK: IC8.E6 R6.2 | length 22.5
  Top w0.4: v2(48.95,23.05) IC8.E6@49.45,23.55
  L10 w0.1: v2(48.95,23.05) 49.575,22.425 51.425,22.425 51.65,22.65 69.425,22.65 v1(69.587,22.813)
  Bottom w0.4: v1(69.587,22.813) R6.2@70.1,22.3